# Allegro board RK_TABLET_DEMO1_RK3576_LP4XD200P132SD6_V12_20240530YWQ.brd (continued)
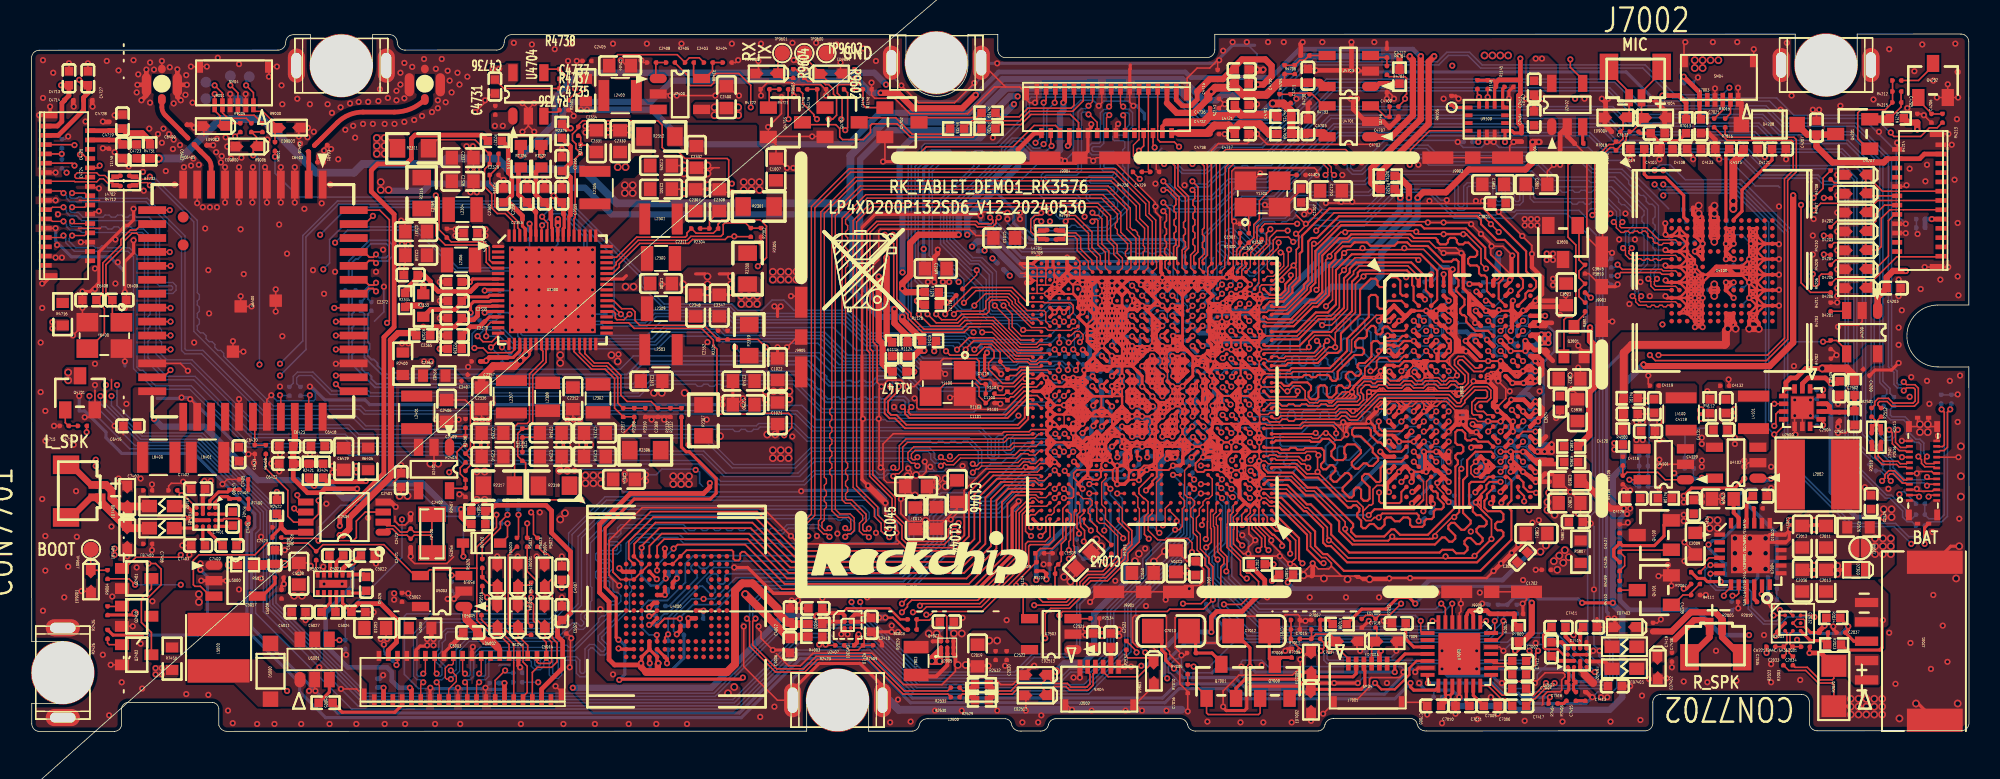
[diagram p0: board, top side]
## Routing (per net, layer and track width the routed paths; a pad name or vN(x,y) marks a point on that pad's centre or on a via; arc(x,y) is an arc through that point) (continued)
MIPI_DPHY_CSI0_RX_CLKP: length 4.1
  TOP w0.089: R4708.1 66.41,31.77 L4701.3 66.5,31.8 66.68,31.98 67.29,31.98 67.47,31.8 67.47,31.07 68.19,30.35 68.19,29.95 U1000.AK22
MIPI_DPHY_CSI0_RX_CLKPJ: length 19.6
  TOP w0.089: R4708.2 65.22,31.77 L4701.4 65.07,31.8 64.86,32.02 64.74,32.02 64.47,32.29 64.47,33.06 64.74,33.33 64.99,33.33 v1(65.15,33.5) ; v1(70.44,40.36) 70.26,40.53 J4701.13
  BOTTOM w0.089: v1(70.44,40.36) 70.6,40.19 70.82,40.19 71.05,39.97 71.05,39.08 70.77,38.8 70.77,33.72 69.38,32.33 64.8,32.33 64.48,32.66 64.48,33.11 64.7,33.33 64.99,33.33 v1(65.15,33.5)
MIPI_DPHY_CSI0_RX_D0N: length 23.5
  TOP w0.089: v1(69.53,40.36) 69.66,40.49 J4701.15 ; U1000.AL20 69.52,30.27 69.52,31.03 69.07,31.48 69.07,33.11 68.85,33.33 68.62,33.33 v1(68.46,33.5)
  BOTTOM w0.089: v1(68.46,33.5) 68.62,33.33 68.8,33.33 68.89,33.42 68.89,33.68 69.12,33.91 69.77,33.91 69.86,34 69.86,34.12 69.78,34.2 68.27,34.2 68.06,34.41 68.06,34.71 68.27,34.92 69.78,34.92 69.86,34.99 69.86,35.1 69.78,35.18 68.27,35.18 68.06,35.39 68.06,35.69 68.27,35.9 69.73,35.9 69.81,35.97 69.81,36.1 69.73,36.18 69.17,36.18 68.96,36.39 68.96,36.68 69.17,36.89 69.73,36.89 69.81,36.97 69.81,37.15 69.72,37.24 68.41,37.24 68.19,37.46 68.19,37.77 68.41,37.99 68.87,37.99 68.96,38.08 68.96,39.96 69.18,40.18 69.35,40.18 v1(69.53,40.36)
MIPI_DPHY_CSI0_RX_D0P: length 23.8
  TOP w0.089: J4701.16 69.36,39.63 v1(69.54,39.81) ; U1000.AK20 69.29,29.95 69.29,30.94 68.81,31.42 68.81,33 68.72,33.08 68.6,33.08 v1(68.46,32.94)
  BOTTOM w0.089: v1(69.54,39.81) 69.4,39.95 69.28,39.95 69.19,39.86 69.19,37.99 68.97,37.77 68.51,37.77 68.42,37.68 68.42,37.55 68.51,37.46 69.81,37.46 70.03,37.24 70.03,36.88 69.82,36.67 69.27,36.67 69.19,36.59 69.19,36.48 69.27,36.4 69.82,36.4 70.03,36.19 70.03,35.88 69.82,35.67 68.36,35.67 68.28,35.6 68.28,35.48 68.36,35.41 69.87,35.41 70.08,35.2 70.08,34.9 69.87,34.69 68.36,34.69 68.28,34.61 68.28,34.5 68.36,34.43 69.87,34.43 70.08,34.22 70.08,33.9 69.86,33.68 69.21,33.68 69.12,33.59 69.12,33.33 68.9,33.11 68.62,33.11 v1(68.46,32.94)
MIPI_DPHY_CSI0_RX_D1N: length 23.3
  TOP w0.089: J4701.18 68.76,39.34 68.25,39.85 v1(68.2,39.85) ; U1000.AL21 68.97,30.27 68.97,30.72 68.43,31.26 68.43,32.26 67.36,33.33 66.9,33.33 v1(66.73,33.5)
  BOTTOM w0.089: v1(68.2,39.85) 68.05,40 67.83,40 67.74,39.92 67.74,36.22 67.44,35.92 65.46,35.92 65.38,35.84 65.38,35.73 65.46,35.66 67.45,35.66 67.66,35.45 67.66,35.15 67.45,34.94 65.35,34.94 65.28,34.86 65.28,34.75 65.35,34.68 67.45,34.68 67.66,34.47 67.66,34.21 67.44,33.99 66.43,33.99 66.34,33.9 66.34,33.42 66.43,33.33 66.56,33.33 v1(66.73,33.5)
MIPI_DPHY_CSI0_RX_D1P: length 24.1
  TOP w0.089: v1(66.73,32.94) 66.89,33.1 67.27,33.1 68.2,32.17 68.2,31.17 68.74,30.63 68.74,29.95 U1000.AK21 ; v1(68.2,40.41) 68.2,40.42 68.46,40.68 J4701.19
  BOTTOM w0.089: v1(66.73,32.94) 66.56,33.11 66.34,33.11 66.12,33.33 66.12,33.99 66.34,34.21 67.35,34.21 67.44,34.3 67.44,34.37 67.36,34.45 65.26,34.45 65.05,34.66 65.05,34.96 65.26,35.17 67.36,35.17 67.44,35.24 67.44,35.35 67.36,35.43 65.36,35.43 65.15,35.64 65.15,35.94 65.36,36.15 67.35,36.15 67.52,36.32 67.52,40.01 67.74,40.23 68.01,40.23 68.19,40.41 v1(68.2,40.41)
MIPI_DPHY_CSI3_CAM_CLKOUT: length 112.2
  TOP w0.102: U1000.1B7 v1(75.45,15.37)
  L4-SIG w0.102: v1(3.74,21.67) 3.74,33.3 3.43,33.6 3.43,34.92 v1(2.26,36.09)
  BOTTOM w0.102: v1(75.45,15.37) 75.37,15.37 74.96,14.96 74.96,12.47 74.3,11.81 74.3,11.32 70.95,7.97 70.95,5.16 68.2,2.41 56.95,2.41 54.11,5.26 49.38,5.26 45.57,1.45 20.65,1.45 14.46,7.64 14.46,12.78 14.76,13.08 14.76,14.1 10.59,18.26 6.33,18.26 3.74,20.85 v1(3.74,21.67) ; R4727.1 1.98,36.38 v1(2.26,36.09)
MIPI_DPHY_CSI3_CLKOUT: length 1.8
  TOP w0.102: J4702.7 v1(1.95,37.3)
  BOTTOM w0.102: C4730.1 1.96,37.31 v1(1.95,37.3) 1.96,37.29 R4727.2
MIPI_DPHY_CSI3_PDN_H: length 111.7
  TOP w0.102: U1000.1D10 v1(73.65,16.57) ; J4702.10 4.3,36.4 4.4,36.5 v1(4.4,36.55)
  L4-SIG w0.102: v1(4.8,22.38) 4.65,22.53 4.65,32.94 5.06,33.35 5.06,35.89 v1(4.4,36.55)
  BOTTOM w0.102: v1(73.65,16.57) 74.35,15.87 74.35,12.78 73.69,12.12 73.69,11.61 69.83,7.75 69.83,4.95 67.9,3.02 57.21,3.02 53.55,6.68 49.89,6.68 45.26,2.06 21.44,2.06 15.37,8.13 15.37,14.35 10.85,18.87 7.04,18.87 4.8,21.11 v1(4.8,22.38)
MIPI_DPHY_CSI3_RST_L: length 112.8
  TOP w0.089: U1000.B13 73.89,13.8 v1(73.89,13.59)
  TOP w0.102: v1(2.77,37.87) 2.74,37.9 J4702.5
  L4-SIG w0.102: v1(2.77,37.87) 2.77,37.01 2.87,36.91 4.55,36.91 5.36,36.09 5.36,33.35 4.85,32.84 4.85,22.88 5.16,22.58 v1(5.16,21.67)
  BOTTOM w0.089: v1(73.89,13.59) 74.15,13.33 74.15,13.32
  BOTTOM w0.102: v1(5.16,21.67) 5.16,21.04 7.12,19.07 10.93,19.07 15.57,14.44 15.57,8.21 21.53,2.26 44.11,2.26 48.74,6.88 53.63,6.88 57.29,3.23 66.44,3.23 67.05,3.83 68.35,3.83 69.62,5.1 69.62,7.83 71.91,10.12 71.91,11.05 73.03,12.17 73.43,12.17 74.15,12.88 74.15,13.32
MIPI_DPHY_CSI3_RX_CLKN: length 76.2
  TOP w0.089: v1(66.06,19.23) U1000.1H23 ; v1(7.63,35.84) 7.47,35.67 6.95,35.67 6.79,35.83 L4702.1 6.59,35.89 R4711.1
  BOTTOM w0.089: v1(7.63,35.84) 7.8,35.67 8.03,35.67 10.7,33.01 10.7,28.34 10.83,28.21 10.83,27.94 10.7,27.8 10.7,27.54 10.83,27.4 10.83,27.14 10.7,27 10.7,26.74 10.83,26.6 10.83,26.33 10.7,26.2 10.7,25.93 10.88,25.74 11.08,25.74 11.26,25.56 11.26,25.37 11.45,25.18 11.64,25.18 11.83,24.99 11.83,24.8 12.02,24.61 12.21,24.61 12.4,24.42 12.4,24.23 15.6,21.03 21.24,21.03 21.55,20.72 49.4,20.72 50.48,19.63 61.24,19.63 61.92,18.95 61.92,17.85 62,17.77 62.11,17.77 62.19,17.85 62.19,18.92 62.4,19.12 62.71,19.12 62.92,18.92 62.92,18.26 63,18.18 63.11,18.18 63.18,18.26 63.18,18.92 63.39,19.12 64.36,19.12 64.49,19.26 64.76,19.26 64.89,19.12 65.16,19.12 65.29,19.26 65.56,19.26 65.69,19.12 65.96,19.12 v1(66.06,19.23)
MIPI_DPHY_CSI3_RX_CLKNJ: length 4.4
  TOP w0.089: R4711.2 5.45,35.89 L4702.2 5.26,35.7 4.95,35.7 4.73,35.91 4.38,35.91 4.21,36.08 2.95,36.08 2.8,35.94 2.8,35.81 2.89,35.72 3.7,35.72 J4702.12
MIPI_DPHY_CSI3_RX_CLKP: length 76
  TOP w0.089: U1000.1H22 v1(66.66,19.23) ; v1(7.63,35.28) 7.47,35.45 6.95,35.45 6.79,35.28 L4702.3 6.59,35.23 R4712.1
  BOTTOM w0.089: v1(7.63,35.28) 7.8,35.45 7.94,35.45 10.47,32.91 10.47,25.84 15.51,20.8 21.15,20.8 21.45,20.5 49.3,20.5 50.39,19.41 61.15,19.41 61.7,18.86 61.7,17.76 61.91,17.55 62.2,17.55 62.41,17.76 62.41,18.82 62.49,18.9 62.62,18.9 62.69,18.82 62.69,18.17 62.9,17.96 63.2,17.96 63.41,18.17 63.41,18.82 63.49,18.9 66.25,18.9 66.57,19.23 v1(66.66,19.23)
MIPI_DPHY_CSI3_RX_CLKPJ: length 5.1
  TOP w0.089: J4702.13 0.93,35.53 2.77,35.53 2.81,35.5 4.21,35.5 4.4,35.69 4.64,35.69 4.89,35.43 5.25,35.43 L4702.4 5.45,35.23 R4712.2
MIPI_DPHY_CSI3_RX_D0N: length 77.6
  TOP w0.089: U1000.H29 64.56,17.63 63.91,17.63 63.65,17.37 61.2,17.37 61,17.16 60.85,17.16 v1(60.73,17.28) ; v1(2.06,34.77) 2.01,34.77 1.88,34.9 J4702.15
  BOTTOM w0.089: v1(60.73,17.28) 60.88,17.14 61,17.14 61.09,17.23 61.09,18.06 60.4,18.75 60.13,18.75 60,18.62 59.73,18.62 59.6,18.75 59.33,18.75 59.19,18.62 58.93,18.62 58.79,18.75 58.53,18.75 58.39,18.62 58.13,18.62 57.99,18.75 50.04,18.75 49.12,19.66 47.01,19.66 46.86,19.51 46.59,19.51 46.46,19.38 46.19,19.38 46.05,19.51 45.79,19.51 45.65,19.38 45.39,19.38 45.25,19.51 21.49,19.51 20.81,20.19 15.17,20.19 10.97,24.39 9.9,24.39 9.68,24.61 9.68,31.92 7.38,34.21 2.47,34.21 2.25,34.43 2.25,34.58 v1(2.06,34.77)
MIPI_DPHY_CSI3_RX_D0P: length 78.3
  TOP w0.089: U1000.H28 65.04,17.57 64.78,17.3 64.48,17.3 64.38,17.4 64,17.4 63.74,17.14 61.29,17.14 61.09,16.94 60.95,16.94 v1(60.73,16.72) ; J4702.16 3.6,34.6 3.43,34.77 v1(2.62,34.77)
  BOTTOM w0.089: v1(60.73,16.72) 60.93,16.92 61.09,16.92 61.31,17.14 61.31,18.15 60.49,18.97 50.13,18.97 49.21,19.89 46.92,19.89 46.76,19.74 21.58,19.74 20.9,20.42 15.26,20.42 11.06,24.61 9.99,24.61 9.9,24.7 9.9,32.01 7.48,34.44 3.3,34.44 3.2,34.54 3.05,34.54 2.95,34.44 2.57,34.44 2.48,34.53 2.48,34.63 v1(2.62,34.77)
MIPI_DPHY_CSI3_RX_D1N: length 79
  TOP w0.089: U1000.J29 64.57,18.08 64.46,18.08 64.38,18.16 63.75,18.16 63.46,17.88 59.84,17.88 59.41,17.44 59.11,17.44 59,17.56 58.83,17.56 v1(58.67,17.72) ; J4702.18 3.58,34 3.43,33.86 v1(2.62,33.86)
  BOTTOM w0.089: v1(58.67,17.72) 58.51,17.55 58.38,17.55 58.24,17.69 58.24,18.01 57.94,18.31 50.27,18.31 49.2,17.25 45.3,17.25 43.37,19.18 21.12,19.18 20.49,19.81 14.55,19.81 10.35,24 8.73,24 8.26,24.47 8.26,24.74 8.39,24.87 8.39,25.14 8.26,25.27 8.26,25.54 8.39,25.68 8.39,25.94 8.26,26.08 8.26,28.21 8.34,28.29 9.12,28.29 9.32,28.5 9.32,28.79 9.12,29 8.34,29 8.26,29.08 8.26,32.54 7.58,33.22 6.75,33.22 6.62,33.35 6.35,33.35 6.22,33.22 5.95,33.22 5.82,33.35 5.55,33.35 5.41,33.22 5.15,33.22 5.01,33.35 4.75,33.35 4.61,33.22 3.32,33.22 3.02,33.52 2.57,33.52 2.48,33.61 2.48,33.72 v1(2.62,33.86)
MIPI_DPHY_CSI3_RX_D1P: length 79.5
  TOP w0.089: v1(2.06,33.86) 1.35,33.86 1.19,33.7 J4702.19 ; U1000.J28 65.04,18.12 64.77,17.85 64.37,17.85 64.29,17.94 63.84,17.94 63.55,17.65 59.93,17.65 59.5,17.22 59.02,17.22 58.9,17.34 58.85,17.34 v1(58.67,17.16)
  BOTTOM w0.089: v1(58.67,17.16) 58.51,17.33 58.29,17.33 58.02,17.6 58.02,17.92 57.85,18.09 50.36,18.09 49.3,17.02 45.21,17.02 43.28,18.95 21.03,18.95 20.4,19.58 14.46,19.58 10.26,23.78 8.63,23.78 8.03,24.38 8.03,28.3 8.24,28.51 9.02,28.51 9.1,28.59 9.1,28.7 9.02,28.78 8.24,28.78 8.03,28.99 8.03,32.44 7.48,32.99 3.23,32.99 2.92,33.3 2.47,33.3 2.25,33.52 2.25,33.66 v1(2.06,33.86)
MIPI_DPHY_CSI3_RX_D2N: length 78
  TOP w0.089: J4702.21 1.19,33.1 1.35,32.94 v1(2.06,32.94) ; v1(57.16,17.15) 56.99,17.33 56.79,17.33 56.55,17.57 56.55,18.01 56.92,18.38 63.08,18.38 63.32,18.63 64.57,18.63 U1000.K29
  BOTTOM w0.089: v1(57.16,17.15) 56.99,17.32 56.75,17.32 56.65,17.43 50.51,17.43 49.55,16.46 44.7,16.46 43.28,17.89 28.08,17.89 27.57,18.39 20.72,18.39 20.15,18.97 14.2,18.97 10.46,22.71 8.62,22.71 7.29,24.04 7.29,32.07 7.13,32.23 3.23,32.23 3.08,32.38 2.47,32.38 2.25,32.6 2.25,32.75 v1(2.06,32.94)
MIPI_DPHY_CSI3_RX_D2P: length 78.5
  TOP w0.089: U1000.K28 65.08,18.67 64.81,18.4 63.41,18.4 63.17,18.16 57.02,18.16 56.77,17.92 56.77,17.66 56.88,17.55 57,17.55 v1(57.16,17.71) ; v1(2.62,32.94) 2.76,32.8 J4702.22
  BOTTOM w0.089: v1(2.62,32.94) 2.48,32.8 2.48,32.7 2.57,32.61 3.17,32.61 3.32,32.46 3.59,32.46 3.72,32.59 3.99,32.59 4.12,32.46 4.39,32.46 4.53,32.59 4.79,32.59 4.93,32.46 5.19,32.46 5.33,32.59 5.59,32.59 5.73,32.46 6,32.46 6.13,32.59 6.4,32.59 6.53,32.46 7.22,32.46 7.52,32.16 7.52,27.35 7.65,27.21 7.65,26.94 7.52,26.81 7.52,26.54 7.65,26.41 7.65,26.14 7.52,26.01 7.52,25.74 7.65,25.61 7.65,25.34 7.52,25.2 7.52,24.94 7.65,24.8 7.65,24.54 7.52,24.4 7.52,24.13 7.7,23.95 7.9,23.95 8.08,23.76 8.08,23.57 8.72,22.94 10.56,22.94 14.29,19.2 20.24,19.2 20.82,18.62 27.66,18.62 28.17,18.11 43.37,18.11 44.79,16.69 49.46,16.69 50.42,17.65 56.74,17.65 56.84,17.55 56.99,17.55 v1(57.16,17.71)
MIPI_DPHY_CSI3_RX_D3N: length 77.3
  TOP w0.089: v1(55.6,17.04) 55.77,16.87 55.88,16.87 55.99,16.98 55.99,18.46 56.43,18.89 62.67,18.89 62.94,19.16 64.56,19.16 U1000.L29 ; J4702.24 3.61,32.2 3.43,32.03 v1(2.62,32.03)
  BOTTOM w0.089: v1(2.62,32.03) 2.43,31.84 2.43,31.66 2.85,31.24 3.6,31.24 3.73,31.37 4,31.37 4.13,31.24 4.4,31.24 4.53,31.37 4.8,31.37 4.93,31.24 6.32,31.24 6.8,30.75 6.8,23.52 7,23.33 7.19,23.33 7.38,23.14 7.38,22.95 8,22.33 10.3,22.33 14.04,18.59 20.03,18.59 20.56,18.06 27.37,18.06 27.93,17.5 43.12,17.5 44.46,16.15 49.79,16.15 50.47,16.84 54.44,16.84 54.68,16.6 54.89,16.6 55.17,16.87 55.43,16.87 v1(55.6,17.04)
MIPI_DPHY_CSI3_RX_D3P: length 78
  TOP w0.089: v1(2.06,32.03) 1.93,31.9 J4702.25 ; v1(55.6,16.48) 55.77,16.65 55.97,16.65 56.21,16.89 56.21,18.36 56.52,18.67 62.77,18.67 63.04,18.94 64.71,18.94 65,19.22 U1000.L28
  BOTTOM w0.089: v1(2.06,32.03) 2.2,31.89 2.2,31.57 2.76,31.01 6.23,31.01 6.58,30.66 6.58,23.43 7.91,22.1 10.21,22.1 13.95,18.36 19.94,18.36 20.47,17.84 27.28,17.84 27.84,17.28 43.03,17.28 44.37,15.93 49.88,15.93 50.57,16.62 54.34,16.62 54.58,16.38 54.99,16.38 55.26,16.65 55.44,16.65 v1(55.6,16.48)
MIPI_DPHY_CSI_PWREN_H: length 163.4
  TOP w0.089: U1000.1D7 76.18,16.3 76.18,15.26 75.96,15.04 75.81,15.04 75.58,14.82 75.58,14.62 75.35,14.38 75.35,13.98 75.16,13.79 75.16,12.98 75.42,12.72 75.42,11.79 75.73,11.47
  TOP w0.102: v1(35.61,41.49) 35.3,41.18 35.03,41.18 R4736.1 ; v1(74.3,8.25) 75.47,8.25 76.23,9.02 76.23,10.64 75.97,10.9 75.97,11.23 75.73,11.47 ; R4704.1 87.59,42.29 88.62,42.29 88.73,42.19 88.73,41.17 88.62,41.07 v1(88.62,40.87) 88.62,40.8 R4701.1
  L4-SIG w0.102: v1(74.3,8.25) 74.3,7.76 75.98,6.07 80.85,6.07 81.36,5.56 88.22,5.56 88.98,4.8 97.56,4.8 100.41,7.64 100.41,9.27 104.27,13.13 104.27,17.7 104.83,18.27 105.26,18.27 105.64,18.64 105.64,20.34 110.62,25.32 111.53,25.32 112.4,26.2 112.4,34.64 106.98,40.06 99.34,40.06 97.77,41.63 91.21,41.63 90.45,40.87 v1(88.62,40.87) 88.6,40.87 88.19,41.27 81.44,41.27 81.08,40.91 81.08,40.67 79.95,39.55 71.79,39.55 70.19,37.95 67.64,37.95 67.21,38.38 64.64,38.38 64.43,38.17 64.43,37.88 64.44,37.87 64.44,37.08 63.66,36.3 60.62,36.3 60.09,36.82 60.09,37.73 59.55,38.28 54.02,38.28 51.58,40.72 50.01,40.72 49.23,41.49 v1(35.61,41.49)
MIPI_DPHY_DSI_TX_CLKN: length 85
  TOP w0.089: U1000.AK17 71.48,29.94 71.48,31.96 71.36,32.09 71.36,32.23 71.19,32.39 71.05,32.39 70.89,32.55 70.89,33.81 69.47,35.23 53.47,35.23 51.64,33.4 51.64,20.91 51.51,20.78 51.51,20.52 51.64,20.39 51.64,20.13 51.51,20 51.51,19.75 51.64,19.61 51.64,19.36 51.51,19.22 51.51,18.97 51.64,18.83 51.64,18.58 51.51,18.44 51.51,18.19 51.64,18.06 51.64,17.8 51.51,17.67 51.51,17.41 51.64,17.28 51.64,17.03 51.51,16.89 51.51,16.64 51.64,16.5 51.64,14.25 52.07,13.82 52.73,13.82 52.86,13.69 52.86,13.08 52.77,12.99 52.65,12.99 v1(52.5,13.13) ; J5000.18 27.21,4.38 27.13,4.29 26.9,4.29 26.7,4.09 26.7,3.47 26.79,3.38 v1(27.05,3.38)
  BOTTOM w0.089: v1(52.5,13.13) 52.67,12.96 52.8,12.96 52.89,13.05 52.89,13.41 52.56,13.74 52.35,13.74 52.25,13.64 52.05,13.64 51.95,13.74 37.62,13.74 36.07,12.19 36.07,9.38 36.15,9.29 36.15,8.46 36.07,8.37 36.07,7.86 35.68,7.47 35.68,7.34 35.86,7.16 35.86,6.85 35.6,6.59 35.29,6.59 35.11,6.77 34.98,6.77 34.02,5.82 28.23,5.82 27.62,5.2 27.62,3.89 27.31,3.58 27.26,3.58 v1(27.05,3.38)
MIPI_DPHY_DSI_TX_CLKP: length 84
  TOP w0.089: U1000.AL17 71.26,30.27 71.26,31.87 70.67,32.46 70.67,33.71 69.38,35.01 53.56,35.01 51.86,33.31 51.86,14.34 52.16,14.05 52.82,14.05 53.08,13.78 53.08,12.99 52.86,12.77 52.7,12.77 v1(52.5,12.57) ; v1(27.05,3.94) 27.41,3.58 27.41,3.23 26.91,2.73 J5000.17
  BOTTOM w0.089: v1(52.5,12.57) 52.67,12.74 52.89,12.74 53.11,12.96 53.11,13.5 52.65,13.96 37.53,13.96 35.84,12.28 35.84,9.28 35.93,9.2 35.93,8.56 35.84,8.47 35.84,7.95 35.45,7.56 35.45,7.25 35.63,7.07 35.63,6.94 35.51,6.81 35.38,6.81 35.2,7 34.89,7 33.93,6.04 28.14,6.04 27.4,5.3 27.4,3.99 27.25,3.84 27.15,3.84 v1(27.05,3.94)
MIPI_DPHY_DSI_TX_D0N: length 86.3
  TOP w0.089: v1(49.56,12.62) 49.71,12.78 49.71,13.44 50.32,14.05 50.32,33.91 52.76,36.35 69.94,36.35 72.11,34.17 72.11,33.45 72.54,33.02 72.54,30.38 72.59,30.33 72.59,29.95 U1000.AK15 ; v1(28.88,3.73) 29.01,3.87 J5000.24
  BOTTOM w0.089: v1(49.56,12.62) 49.71,12.47 49.71,12.22 49.62,12.14 48.52,12.14 48.29,12.37 42.17,12.37 41.79,12.75 38.96,12.75 38.36,12.15 38.36,7.98 36.56,6.18 36.56,5.87 37.02,5.41 37.02,5.29 36.9,5.16 36.77,5.16 36.31,5.62 36,5.62 35.71,5.33 35.71,3.84 35.62,3.75 35.47,3.75 35.39,3.84 35.39,4.6 35.17,4.82 34.21,4.82 33.99,4.6 33.99,3.74 33.9,3.65 33.72,3.65 33.63,3.74 33.63,4.6 33.41,4.82 33.05,4.82 32.83,4.6 32.83,4.3 32.74,4.21 32.56,4.21 32.47,4.3 32.47,4.6 32.25,4.82 29.51,4.82 29.29,4.6 29.29,3.65 29.2,3.57 29.05,3.57 v1(28.88,3.73)
MIPI_DPHY_DSI_TX_D0P: length 85.8
  TOP w0.089: v1(50.12,12.62) 49.93,12.81 49.93,13.34 50.54,13.95 50.54,33.82 52.85,36.12 69.85,36.12 71.89,34.08 71.89,33.36 72.32,32.93 U1000.AL15 ; v1(28.88,3.17) 28.71,3.01 J5000.23
  BOTTOM w0.089: v1(50.12,12.62) 49.93,12.44 49.93,12.13 49.71,11.91 48.43,11.91 48.2,12.15 42.07,12.15 41.7,12.52 40.58,12.52 40.45,12.39 40.18,12.39 40.04,12.52 39.05,12.52 38.59,12.05 38.59,11.06 38.72,10.93 38.72,10.66 38.59,10.53 38.59,10.26 38.72,10.13 38.72,9.86 38.59,9.72 38.59,9.46 38.72,9.32 38.72,9.06 38.59,8.92 38.59,7.89 36.79,6.09 36.79,5.96 37.25,5.51 37.25,5.2 36.99,4.94 36.68,4.94 36.22,5.4 36.09,5.4 35.94,5.24 35.94,3.75 35.72,3.53 35.38,3.53 35.16,3.75 35.16,4.51 35.07,4.6 34.3,4.6 34.21,4.51 34.21,3.65 33.99,3.43 33.63,3.43 33.41,3.65 33.41,4.51 33.32,4.6 33.14,4.6 33.05,4.51 33.05,4.21 32.83,3.99 32.47,3.99 32.25,4.21 32.25,4.51 32.16,4.6 29.6,4.6 29.51,4.51 29.51,3.56 29.29,3.34 29.05,3.34 v1(28.88,3.17)
MIPI_DPHY_DSI_TX_D1N: length 86.4
  TOP w0.089: U1000.AK16 72.04,29.95 72.04,32.59 71.5,33.13 71.5,34.02 69.74,35.79 53.17,35.79 50.93,33.55 50.93,13.74 50.78,13.59 50.78,13.08 51.1,12.76 51.31,12.76 v1(51.49,12.57) ; J5000.21 28.11,3.03 v1(27.97,3.17)
  BOTTOM w0.089: v1(27.97,3.17) 28.14,3.34 28.32,3.34 28.54,3.56 28.54,4.71 29.04,5.21 35.04,5.21 37.39,7.55 37.39,8.1 37.48,8.19 37.81,8.19 38.03,8.41 38.03,8.77 37.81,8.99 37.61,8.99 37.52,9.08 37.52,9.73 37.3,9.95 36.71,9.95 36.62,10.04 36.62,10.21 36.71,10.3 37.3,10.3 37.52,10.52 37.52,10.89 37.3,11.11 36.71,11.11 36.62,11.19 36.62,11.37 36.71,11.46 37.81,11.46 38.03,11.68 38.03,12.03 37.81,12.25 37.32,12.25 37.23,12.34 37.23,12.47 37.32,12.56 37.81,12.56 38.03,12.78 38.03,13.04 38.12,13.13 41.98,13.13 42.35,12.76 48.47,12.76 48.85,13.13 50.73,13.13 51.1,12.76 51.31,12.76 v1(51.49,12.57)
MIPI_DPHY_DSI_TX_D1P: length 86.1
  TOP w0.089: J5000.20 27.81,3.89 v1(27.97,3.73) ; U1000.AL16 71.82,30.27 71.82,30.53 71.73,30.61 71.73,30.97 71.82,31.05 71.82,31.3 71.73,31.39 71.73,31.74 71.82,31.83 71.82,32.5 71.28,33.04 71.28,33.93 69.64,35.56 53.26,35.56 51.15,33.46 51.15,16.42 51.29,16.29 51.29,16.03 51.15,15.9 51.15,15.64 51.29,15.51 51.29,15.25 51.15,15.12 51.15,14.87 51.29,14.73 51.29,14.48 51.15,14.34 51.15,13.65 51,13.5 51,13.17 51.19,12.98 51.34,12.98 v1(51.49,13.13)
  BOTTOM w0.089: v1(51.49,13.13) 51.34,12.98 51.2,12.98 50.82,13.35 48.75,13.35 48.38,12.98 48.11,12.98 47.98,13.11 47.71,13.11 47.58,12.98 47.31,12.98 47.17,13.11 46.91,13.11 46.77,12.98 46.51,12.98 46.37,13.11 46.11,13.11 45.97,12.98 45.7,12.98 45.57,13.11 45.3,13.11 45.17,12.98 44.9,12.98 44.77,13.11 44.5,13.11 44.37,12.98 44.1,12.98 43.96,13.11 43.7,13.11 43.56,12.98 43.3,12.98 43.16,13.11 42.89,13.11 42.76,12.98 42.45,12.98 42.07,13.35 38.02,13.35 37.8,13.14 37.8,12.87 37.71,12.78 37.23,12.78 37.01,12.56 37.01,12.25 37.23,12.03 37.71,12.03 37.8,11.94 37.8,11.77 37.71,11.68 36.62,11.68 36.4,11.46 36.4,11.1 36.62,10.88 37.21,10.88 37.3,10.79 37.3,10.62 37.21,10.53 36.62,10.53 36.4,10.31 36.4,9.94 36.62,9.72 37.21,9.72 37.3,9.63 37.3,8.98 37.51,8.76 37.71,8.76 37.8,8.68 37.8,8.5 37.71,8.41 37.38,8.41 37.16,8.19 37.16,7.64 36.97,7.46 36.78,7.46 36.6,7.27 36.6,7.08 34.95,5.43 34.68,5.43 34.55,5.56 34.28,5.56 34.15,5.43 28.94,5.43 28.31,4.8 28.31,3.65 28.22,3.57 28.14,3.57 v1(27.97,3.73)
MIPI_DPHY_DSI_TX_D2N: length 85.4
  TOP w0.089: J5000.15 26.31,2.98 26.14,3.15 v1(26.14,3.17) ; v1(54.03,12.55) 53.86,12.71 53.64,12.71 53.42,12.93 53.42,13.45 53.63,13.66 53.63,13.94 52.83,14.74 52.52,14.74 52.3,14.96 52.3,33.15 53.83,34.67 69.13,34.67 70.28,33.51 70.28,32.24 70.94,31.59 70.94,29.95 U1000.AK18
  BOTTOM w0.089: 26.13,3.16 v1(26.14,3.17) 26.3,3.33 26.48,3.33 26.71,3.56 26.71,4.19 26.26,4.64 26.26,4.97 26.51,5.22 26.51,5.73 26.71,5.93 26.71,6.27 26.86,6.43 33.77,6.43 35.49,8.14 35.49,12.51 37.33,14.35 53.52,14.35 53.83,14.05 53.83,13.85 53.42,13.45 53.42,12.93 53.64,12.71 53.86,12.71 v1(54.03,12.55)
MIPI_DPHY_DSI_TX_D2P: length 84.6
  TOP w0.089: v1(54.03,13.11) 53.86,12.94 53.73,12.94 53.64,13.03 53.64,13.35 53.85,13.56 53.85,14.03 52.92,14.96 52.61,14.96 52.52,15.05 52.52,15.36 52.66,15.49 52.66,15.75 52.52,15.88 52.52,16.14 52.66,16.27 52.66,16.52 52.52,16.66 52.52,16.91 52.66,17.05 52.66,17.3 52.52,17.44 52.52,29.94 52.66,30.08 52.66,30.33 52.52,30.47 52.52,30.72 52.66,30.86 52.66,31.11 52.52,31.25 52.52,31.5 52.66,31.63 52.66,31.89 52.52,32.02 52.52,32.28 52.66,32.41 52.66,32.67 52.52,32.8 52.52,33.05 53.92,34.45 69.03,34.45 70.06,33.42 70.06,32.93 69.93,32.79 69.93,32.54 70.06,32.4 70.06,32.15 70.72,31.49 70.72,31.12 70.58,30.99 70.58,30.73 70.72,30.6 70.72,30.27 U1000.AL18 ; v1(26.14,3.73) 26.01,3.86 J5000.14
  BOTTOM w0.089: 26.14,3.71 26.13,3.72 ; 26.14,3.71 v1(26.14,3.73) 26.13,3.73 ; 26.14,3.71 26.3,3.55 26.38,3.55 26.48,3.65 26.48,4.1 26.04,4.55 26.04,5.06 26.28,5.31 26.28,5.82 26.48,6.02 26.48,6.36 26.77,6.65 33.68,6.65 35.26,8.23 35.26,12.6 37.23,14.57 53.61,14.57 54.05,14.14 54.05,13.76 53.64,13.35 53.64,13.03 53.73,12.94 53.86,12.94 v1(54.03,13.11)
MIPI_DPHY_DSI_TX_D3N: length 85.5
  TOP w0.089: v1(25.28,3.73) 25.41,3.87 J5000.12 ; U1000.AK19 70.39,29.95 70.39,30.56 70.05,30.9 70.05,31.41 69.62,31.84 69.62,33.31 68.82,34.11 54.13,34.11 53.01,32.99 53.01,15.77 54.38,14.4 54.38,13.88 54.82,13.45 54.82,12.95 55.04,12.73 55.17,12.73 v1(55.35,12.55)
  BOTTOM w0.089: v1(25.28,3.73) 25.11,3.56 24.96,3.57 24.87,3.66 24.87,6.22 25.68,7.04 33.52,7.04 34.88,8.4 34.88,12.71 37.1,14.93 53.85,14.93 54.47,14.32 54.47,13.8 54.82,13.45 54.82,12.95 55.04,12.73 55.17,12.73 v1(55.35,12.55)
MIPI_DPHY_DSI_TX_D3P: length 84.4
  TOP w0.089: v1(25.28,3.17) 25.11,3.01 J5000.11 ; v1(55.35,13.11) 55.2,12.95 55.13,12.95 55.04,13.04 55.04,13.54 54.61,13.97 54.61,14.49 53.24,15.86 53.24,32.9 54.22,33.89 68.73,33.89 69.4,33.22 69.4,31.74 69.83,31.32 69.83,30.81 70.17,30.47 70.17,30.27 U1000.AL19
  BOTTOM w0.089: v1(55.35,13.11) 55.2,12.95 55.13,12.95 55.04,13.04 55.04,13.54 54.69,13.89 54.69,14.41 53.94,15.16 37.01,15.16 34.65,12.81 34.65,8.49 33.42,7.26 25.59,7.26 24.65,6.32 24.65,3.56 24.86,3.34 25.1,3.34 25.27,3.17 v1(25.28,3.17)
MOTOR+: length 12.3
  TOP w0.305: 119.71,36.96 119.75,36.99 J4201.22 121.83,36.99 122.13,37.29 J4201.23
  TOP w0.406: Q4201.3 116.37,38.55 C4207.1 ; C4207.1 114.58,38.55 D4208.2 ; C4207.1 115.17,37.79 116.21,36.75 119.51,36.75 119.71,36.96
OSC_1V8: length 17.7
  TOP w0.229: U1000.2J10 v1(69.72,22.95)
  TOP w0.406: R1119.2 R1124.2 56.93,24.24 57.29,24.59 v1(57.6,24.59)
  L4-SIG w0.254: 68.85,23.76 69.67,22.95 v1(69.72,22.95)
  L4-SIG w0.305: 68.85,23.76 68.76,23.85 62.61,23.85 62,23.24 62,22.78 61.75,22.53 58.9,22.53 57.6,23.83 v1(57.6,24.59)
  BOTTOM w0.305: v1(69.72,22.95) 69.72,23.19 C1102.1
OSC_UFS_XIN: length 8.4
  TOP w0.102: C1304.1 80.9,35.94 Y1300.3 79.23,34.27 79.23,33.1 78.87,32.74 78.87,31.91 R1302.2 77.96,30.99 77.96,30.55 78.09,30.42 78.09,30.07 77.82,29.79 U1000.AK5
OSC_UFS_XOUT: length 2.1
  TOP w0.102: R1300.1 R1302.1 77.99,31.35 77.76,31.12 77.76,30.28 U1000.AL5
OTG_EN_H: length 60
  TOP w0.089: U1000.B15 72.32,14.1 72.05,13.83 72.05,12.99 72.67,12.37 73.13,12.37 73.23,12.47 74.6,12.47 74.88,12.19 v1(74.88,11.58)
  TOP w0.102: U2004.8 110.16,8.91 110.01,8.76 v1(109.76,8.76)
  L4-SIG w0.102: v1(71.86,5.1) 73.18,5.1 76.33,1.96 90.66,1.96 91.37,2.67 94.23,2.67 94.53,2.36 97.26,2.36 97.77,1.85 98.3,1.85 100.69,4.24 101.62,4.24 104.63,7.25 104.63,8.97 105.69,10.03 107.42,10.03 109.05,8.41 109.4,8.41 v1(109.76,8.76)
  BOTTOM w0.102: v1(109.76,8.76) 109.71,8.71 R2004.2 ; v1(71.86,5.1) 71.25,5.71 71.25,7.95 v1(74.88,11.58)
PCIE0_CLKREQN_M1: length 61.5
  TOP w0.089: 65.45,13.59 65.45,13.83 65.61,13.99 65.81,13.99 65.98,14.16 65.98,14.44 U1000.1A23
  TOP w0.102: U6400.37 20.09,21.97 v1(19.64,22.43)
  TOP w0.114: 65.45,13.59 65.45,12.92 65.15,12.62 v1(65.1,12.62)
  L4-SIG w0.089: 65.41,13.32 65.41,13.44 65.23,13.61 ; 65.2,13.64 64.77,13.64
  L4-SIG w0.102: 65.41,13.32 65.41,12.89 65.14,12.62 v1(65.1,12.62) ; 64.77,13.64 64.14,13.64 63.17,14.6 57.03,14.6 56.77,14.35 37.37,14.35 34.88,11.86 23.04,11.86 19.08,15.82 19.08,21.87 v1(19.64,22.43) ; 65.23,13.61 65.2,13.64
PCIE0_PERSTN_M1: length 83.2
  TOP w0.102: U6400.12 v1(8.92,33.67) ; U1000.1B22 v1(66.62,15.67)
  L4-SIG w0.102: v1(8.92,33.67) 9.27,33.32 9.27,30.76 9.05,30.53 8.89,30.53 8.61,30.25 8.61,28.42 9.07,27.96 12.78,27.96 16.59,24.15 16.59,14.25 16.84,13.99 19.99,13.99 23.24,10.74 34.67,10.74 37.67,13.74 55.91,13.74 57.28,12.37 64.24,12.37 64.34,12.27 65.26,12.27 65.66,12.67 65.66,13.59 66.97,14.9 66.97,15.32 66.62,15.67 v1(66.62,15.67)
PCIE0_REFCLKN: length 52.9
  TOP w0.089: v1(66.04,21.69) U1000.1N23
  BOTTOM w0.089: C6417.2 16.88,22.49 16.88,22.94 17.16,23.21 18.15,23.21 19.37,21.99 21.76,21.99 21.88,21.87 39.13,21.87 39.92,22.65 49.23,22.65 51.06,20.83 55.12,20.83 55.51,20.44 62.61,20.44 63.45,21.28 65.78,21.28 66.04,21.53 v1(66.04,21.69)
PCIE0_REFCLKP: length 53.4
  TOP w0.089: U1000.1N22 v1(66.62,21.67)
  BOTTOM w0.089: v1(66.62,21.67) 66.49,21.67 65.88,21.06 63.54,21.06 62.71,20.22 55.41,20.22 55.03,20.6 50.96,20.6 49.14,22.43 44.98,22.43 44.85,22.29 44.58,22.29 44.44,22.43 44.18,22.43 44.04,22.29 43.78,22.29 43.64,22.43 43.37,22.43 43.24,22.29 42.97,22.29 42.84,22.43 40.01,22.43 39.23,21.65 21.79,21.65 21.67,21.77 19.28,21.77 18.06,22.99 17.25,22.99 17.11,22.84 17.11,22.47 17.33,22.25 C6416.2
